# KiCad board panel.kicad_pcb
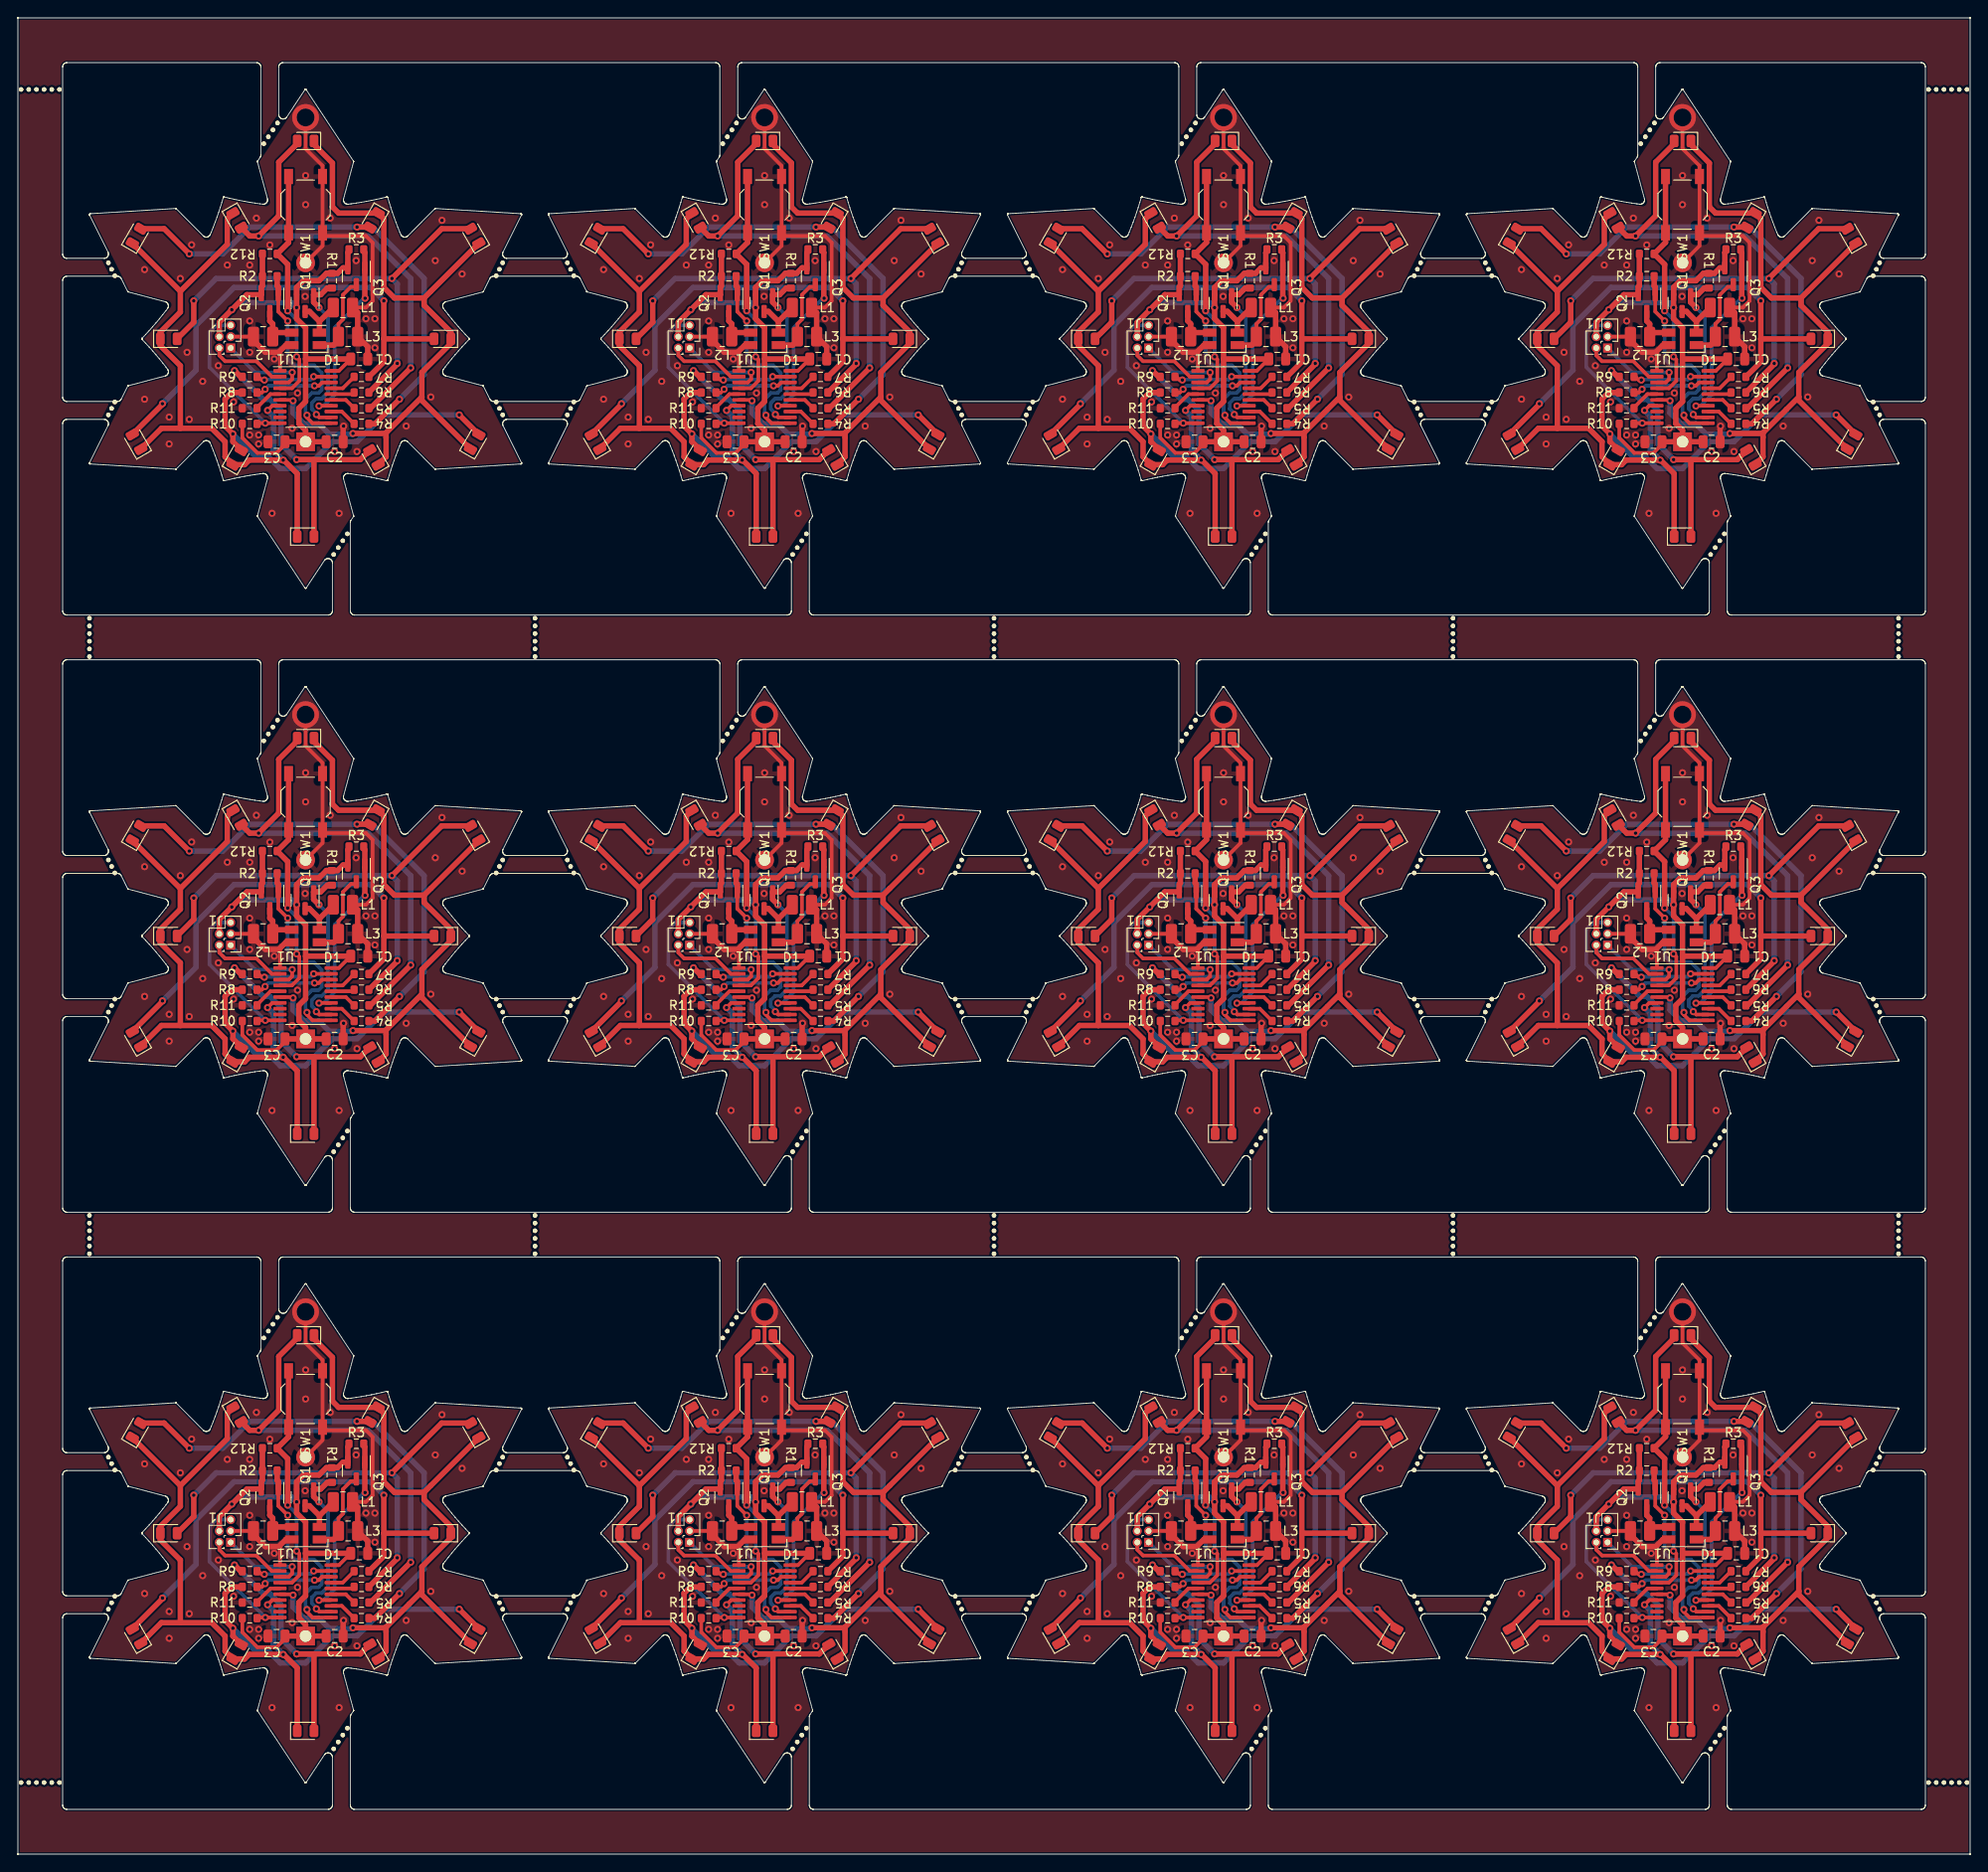
[diagram p0: board, top side]
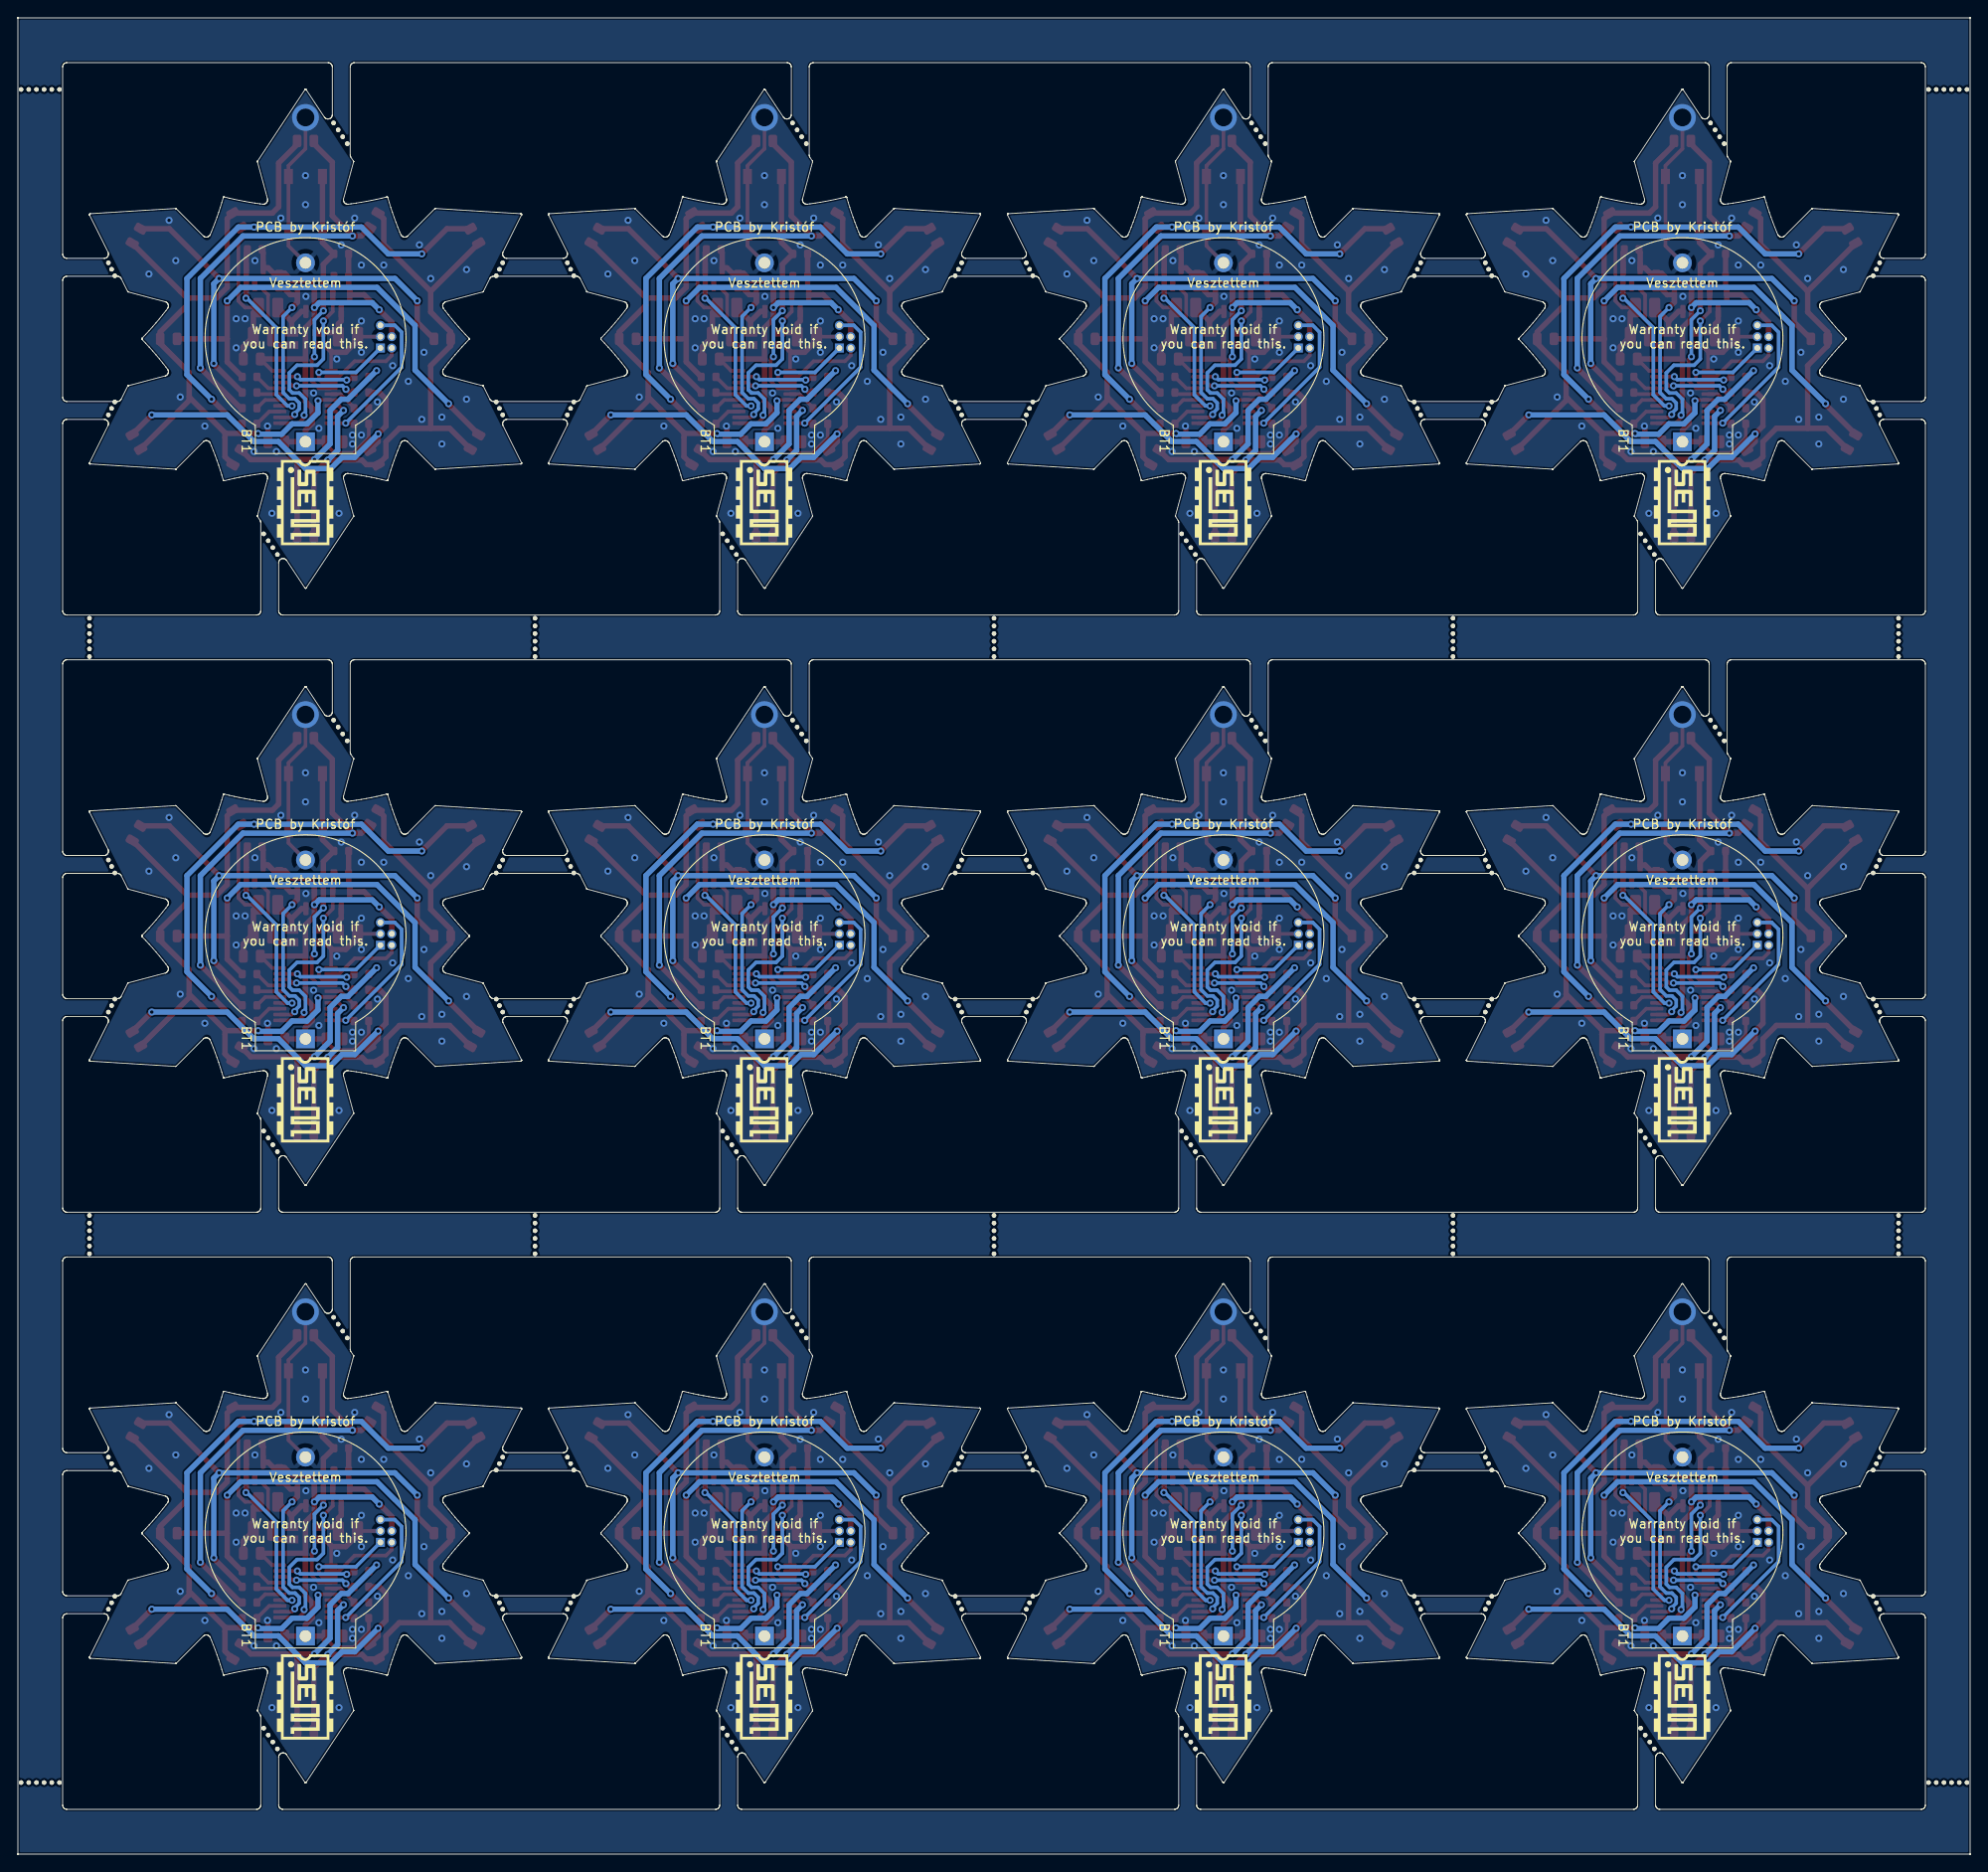
[diagram p1: board, bottom side, seen from below]

Outline 218.25 x 205.27 mm; copper layers: Top, Bottom. Coordinates in mm from the lower left corner of the outline.
Stack: Top 0.035mm / dielectric 1.51mm FR4 er 4.5 / Bottom 0.035mm

## Placement (name value [footprint] x y rotation side)
BT1  Battery  [CR2032_Holder]  83.47 24.38 90 bottom
BT1#2  Battery  [CR2032_Holder]  134.79 24.38 90 bottom
BT1#3  Battery  [CR2032_Holder]  186.1 91.13 90 bottom
BT1#4  Battery  [CR2032_Holder]  83.47 91.13 90 bottom
BT1#5  Battery  [CR2032_Holder]  134.79 91.13 90 bottom
BT1#6  Battery  [CR2032_Holder]  134.79 157.89 90 bottom
BT1#7  Battery  [CR2032_Holder]  83.47 157.89 90 bottom
BT1#8  Battery  [CR2032_Holder]  32.16 157.89 90 bottom
BT1#9  Battery  [CR2032_Holder]  186.1 24.38 90 bottom
BT1#10  Battery  [CR2032_Holder]  32.16 24.38 90 bottom
BT1#11  Battery  [CR2032_Holder]  32.16 91.13 90 bottom
BT1#12  Battery  [CR2032_Holder]  186.1 157.89 90 bottom
C1  100nF  [C_0805_2012Metric]  192.1 100.38 180 top
C1#2  100nF  [C_0805_2012Metric]  192.1 167.14 180 top
C1#3  100nF  [C_0805_2012Metric]  89.47 33.63 180 top
C1#4  100nF  [C_0805_2012Metric]  89.47 100.38 180 top
C1#5  100nF  [C_0805_2012Metric]  38.16 100.38 180 top
C1#6  100nF  [C_0805_2012Metric]  38.16 167.14 180 top
C1#7  100nF  [C_0805_2012Metric]  89.47 167.14 180 top
C1#8  100nF  [C_0805_2012Metric]  38.16 33.63 180 top
C1#9  100nF  [C_0805_2012Metric]  192.1 33.63 180 top
C1#10  100nF  [C_0805_2012Metric]  140.79 33.63 180 top
C1#11  100nF  [C_0805_2012Metric]  140.79 100.38 180 top
C1#12  100nF  [C_0805_2012Metric]  140.79 167.14 180 top
C2  10uF  [C_0805_2012Metric]  138.04 157.89 0 top
C2#2  10uF  [C_0805_2012Metric]  189.35 157.89 0 top
C2#3  10uF  [C_0805_2012Metric]  86.72 91.13 0 top
C2#4  10uF  [C_0805_2012Metric]  35.41 24.38 0 top
C2#5  10uF  [C_0805_2012Metric]  189.35 91.13 0 top
C2#6  10uF  [C_0805_2012Metric]  35.41 91.13 0 top
C2#7  10uF  [C_0805_2012Metric]  86.72 157.89 0 top
C2#8  10uF  [C_0805_2012Metric]  138.04 24.38 0 top
C2#9  10uF  [C_0805_2012Metric]  86.72 24.38 0 top
C2#10  10uF  [C_0805_2012Metric]  138.04 91.13 0 top
C2#11  10uF  [C_0805_2012Metric]  35.41 157.89 0 top
C2#12  10uF  [C_0805_2012Metric]  189.35 24.38 0 top
C3  10uF  [C_0805_2012Metric]  131.54 24.38 180 top
C3#2  10uF  [C_0805_2012Metric]  182.85 157.89 180 top
C3#3  10uF  [C_0805_2012Metric]  182.85 91.13 180 top
C3#4  10uF  [C_0805_2012Metric]  80.22 24.38 180 top
C3#5  10uF  [C_0805_2012Metric]  28.91 157.89 180 top
C3#6  10uF  [C_0805_2012Metric]  28.91 91.13 180 top
C3#7  10uF  [C_0805_2012Metric]  182.85 24.38 180 top
C3#8  10uF  [C_0805_2012Metric]  28.91 24.38 180 top
C3#9  10uF  [C_0805_2012Metric]  131.54 157.89 180 top
C3#10  10uF  [C_0805_2012Metric]  80.22 157.89 180 top
C3#11  10uF  [C_0805_2012Metric]  80.22 91.13 180 top
C3#12  10uF  [C_0805_2012Metric]  131.54 91.13 180 top
D1  LED_ARGB  [LED_RGB_Wuerth-PLCC4_3.2x2.8mm_150141M173100]  32.16 35.88 0 top
D1#2  LED_ARGB  [LED_RGB_Wuerth-PLCC4_3.2x2.8mm_150141M173100]  83.47 102.63 0 top
D1#3  LED_ARGB  [LED_RGB_Wuerth-PLCC4_3.2x2.8mm_150141M173100]  134.79 35.88 0 top
D1#4  LED_ARGB  [LED_RGB_Wuerth-PLCC4_3.2x2.8mm_150141M173100]  186.1 35.88 0 top
D1#5  LED_ARGB  [LED_RGB_Wuerth-PLCC4_3.2x2.8mm_150141M173100]  134.79 102.63 0 top
D1#6  LED_ARGB  [LED_RGB_Wuerth-PLCC4_3.2x2.8mm_150141M173100]  186.1 169.39 0 top
D1#7  LED_ARGB  [LED_RGB_Wuerth-PLCC4_3.2x2.8mm_150141M173100]  32.16 169.39 0 top
D1#8  LED_ARGB  [LED_RGB_Wuerth-PLCC4_3.2x2.8mm_150141M173100]  83.47 169.39 0 top
D1#9  LED_ARGB  [LED_RGB_Wuerth-PLCC4_3.2x2.8mm_150141M173100]  83.47 35.88 0 top
D1#10  LED_ARGB  [LED_RGB_Wuerth-PLCC4_3.2x2.8mm_150141M173100]  186.1 102.63 0 top
D1#11  LED_ARGB  [LED_RGB_Wuerth-PLCC4_3.2x2.8mm_150141M173100]  134.79 169.39 0 top
D1#12  LED_ARGB  [LED_RGB_Wuerth-PLCC4_3.2x2.8mm_150141M173100]  32.16 102.63 0 top
D2  LED  [LED_0805_2012Metric]  115.89 114.13 60 top
D2#2  LED  [LED_0805_2012Metric]  115.89 47.38 60 top
D2#3  LED  [LED_0805_2012Metric]  64.57 114.13 60 top
D2#4  LED  [LED_0805_2012Metric]  167.2 114.13 60 top
D2#5  LED  [LED_0805_2012Metric]  13.26 114.13 60 top
D2#6  LED  [LED_0805_2012Metric]  64.57 180.89 60 top
D2#7  LED  [LED_0805_2012Metric]  13.26 180.89 60 top
D2#8  LED  [LED_0805_2012Metric]  115.89 180.89 60 top
D2#9  LED  [LED_0805_2012Metric]  167.2 180.89 60 top
D2#10  LED  [LED_0805_2012Metric]  167.2 47.38 60 top
D2#11  LED  [LED_0805_2012Metric]  13.26 47.38 60 top
D2#12  LED  [LED_0805_2012Metric]  64.57 47.38 60 top
D3  LED  [LED_0805_2012Metric]  193.75 115.88 240 top
D3#2  LED  [LED_0805_2012Metric]  91.12 49.13 240 top
D3#3  LED  [LED_0805_2012Metric]  39.81 115.88 240 top
D3#4  LED  [LED_0805_2012Metric]  91.12 182.64 240 top
D3#5  LED  [LED_0805_2012Metric]  39.81 182.64 240 top
D3#6  LED  [LED_0805_2012Metric]  142.44 182.64 240 top
D3#7  LED  [LED_0805_2012Metric]  91.12 115.88 240 top
D3#8  LED  [LED_0805_2012Metric]  193.75 182.64 240 top
D3#9  LED  [LED_0805_2012Metric]  142.44 115.88 240 top
D3#10  LED  [LED_0805_2012Metric]  193.75 49.13 240 top
D3#11  LED  [LED_0805_2012Metric]  142.44 49.13 240 top
D3#12  LED  [LED_0805_2012Metric]  39.81 49.13 240 top
D4  LED  [LED_0805_2012Metric]  75.82 115.88 300 top
D4#2  LED  [LED_0805_2012Metric]  24.51 49.13 300 top
D4#3  LED  [LED_0805_2012Metric]  127.14 182.64 300 top
D4#4  LED  [LED_0805_2012Metric]  127.14 49.13 300 top
D4#5  LED  [LED_0805_2012Metric]  75.82 182.64 300 top
D4#6  LED  [LED_0805_2012Metric]  24.51 182.64 300 top
D4#7  LED  [LED_0805_2012Metric]  178.45 182.64 300 top
D4#8  LED  [LED_0805_2012Metric]  178.45 49.13 300 top
D4#9  LED  [LED_0805_2012Metric]  178.45 115.88 300 top
D4#10  LED  [LED_0805_2012Metric]  24.51 115.88 300 top
D4#11  LED  [LED_0805_2012Metric]  127.14 115.88 300 top
D4#12  LED  [LED_0805_2012Metric]  75.82 49.13 300 top
D5  LED  [LED_0805_2012Metric]  134.79 124.76 180 top
D5#2  LED  [LED_0805_2012Metric]  83.47 58 180 top
D5#3  LED  [LED_0805_2012Metric]  134.79 58 180 top
D5#4  LED  [LED_0805_2012Metric]  186.1 124.76 180 top
D5#5  LED  [LED_0805_2012Metric]  83.47 191.51 180 top
D5#6  LED  [LED_0805_2012Metric]  186.1 191.51 180 top
D5#7  LED  [LED_0805_2012Metric]  83.47 124.76 180 top
D5#8  LED  [LED_0805_2012Metric]  32.16 191.51 180 top
D5#9  LED  [LED_0805_2012Metric]  32.16 124.76 180 top
D5#10  LED  [LED_0805_2012Metric]  134.79 191.51 180 top
D5#11  LED  [LED_0805_2012Metric]  186.1 58 180 top
D5#12  LED  [LED_0805_2012Metric]  32.16 58 180 top
D6  LED  [LED_0805_2012Metric]  170.8 169.39 0 top
D6#2  LED  [LED_0805_2012Metric]  170.8 35.88 0 top
D6#3  LED  [LED_0805_2012Metric]  68.17 35.88 0 top
D6#4  LED  [LED_0805_2012Metric]  16.86 169.39 0 top
D6#5  LED  [LED_0805_2012Metric]  119.49 169.39 0 top
D6#6  LED  [LED_0805_2012Metric]  68.17 169.39 0 top
D6#7  LED  [LED_0805_2012Metric]  68.17 102.63 0 top
D6#8  LED  [LED_0805_2012Metric]  16.86 35.88 0 top
D6#9  LED  [LED_0805_2012Metric]  119.49 102.63 0 top
D6#10  LED  [LED_0805_2012Metric]  170.8 102.63 0 top
D6#11  LED  [LED_0805_2012Metric]  16.86 102.63 0 top
D6#12  LED  [LED_0805_2012Metric]  119.49 35.88 0 top
D7  LED  [LED_0805_2012Metric]  102.37 180.89 120 top
D7#2  LED  [LED_0805_2012Metric]  51.06 47.38 120 top
D7#3  LED  [LED_0805_2012Metric]  102.37 47.38 120 top
D7#4  LED  [LED_0805_2012Metric]  51.06 114.13 120 top
D7#5  LED  [LED_0805_2012Metric]  153.69 114.13 120 top
D7#6  LED  [LED_0805_2012Metric]  51.06 180.89 120 top
D7#7  LED  [LED_0805_2012Metric]  205 47.38 120 top
D7#8  LED  [LED_0805_2012Metric]  153.69 47.38 120 top
D7#9  LED  [LED_0805_2012Metric]  205 180.89 120 top
D7#10  LED  [LED_0805_2012Metric]  153.69 180.89 120 top
D7#11  LED  [LED_0805_2012Metric]  102.37 114.13 120 top
D7#12  LED  [LED_0805_2012Metric]  205 114.13 120 top
D8  LED  [LED_0805_2012Metric]  167.2 24.38 120 top
D8#2  LED  [LED_0805_2012Metric]  115.89 91.13 120 top
D8#3  LED  [LED_0805_2012Metric]  64.57 157.89 120 top
D8#4  LED  [LED_0805_2012Metric]  13.26 91.13 120 top
D8#5  LED  [LED_0805_2012Metric]  167.2 91.13 120 top
D8#6  LED  [LED_0805_2012Metric]  115.89 24.38 120 top
D8#7  LED  [LED_0805_2012Metric]  64.57 91.13 120 top
D8#8  LED  [LED_0805_2012Metric]  13.26 24.38 120 top
D8#9  LED  [LED_0805_2012Metric]  115.89 157.89 120 top
D8#10  LED  [LED_0805_2012Metric]  13.26 157.89 120 top
D8#11  LED  [LED_0805_2012Metric]  167.2 157.89 120 top
D8#12  LED  [LED_0805_2012Metric]  64.57 24.38 120 top
D9  LED  [LED_0805_2012Metric]  47.46 35.88 180 top
D9#2  LED  [LED_0805_2012Metric]  201.4 169.39 180 top
D9#3  LED  [LED_0805_2012Metric]  98.77 169.39 180 top
D9#4  LED  [LED_0805_2012Metric]  201.4 102.63 180 top
D9#5  LED  [LED_0805_2012Metric]  47.46 102.63 180 top
D9#6  LED  [LED_0805_2012Metric]  150.09 102.63 180 top
D9#7  LED  [LED_0805_2012Metric]  201.4 35.88 180 top
D9#8  LED  [LED_0805_2012Metric]  150.09 169.39 180 top
D9#9  LED  [LED_0805_2012Metric]  98.77 102.63 180 top
D9#10  LED  [LED_0805_2012Metric]  47.46 169.39 180 top
D9#11  LED  [LED_0805_2012Metric]  98.77 35.88 180 top
D9#12  LED  [LED_0805_2012Metric]  150.09 35.88 180 top
D10  LED  [LED_0805_2012Metric]  127.14 22.63 60 top
D10#2  LED  [LED_0805_2012Metric]  127.14 89.38 60 top
D10#3  LED  [LED_0805_2012Metric]  75.82 89.38 60 top
D10#4  LED  [LED_0805_2012Metric]  24.51 156.14 60 top
D10#5  LED  [LED_0805_2012Metric]  178.45 89.38 60 top
D10#6  LED  [LED_0805_2012Metric]  178.45 156.14 60 top
D10#7  LED  [LED_0805_2012Metric]  127.14 156.14 60 top
D10#8  LED  [LED_0805_2012Metric]  75.82 22.63 60 top
D10#9  LED  [LED_0805_2012Metric]  178.45 22.63 60 top
D10#10  LED  [LED_0805_2012Metric]  75.82 156.14 60 top
D10#11  LED  [LED_0805_2012Metric]  24.51 22.63 60 top
D10#12  LED  [LED_0805_2012Metric]  24.51 89.38 60 top
D11  LED  [LED_0805_2012Metric]  205 157.89 60 top
D11#2  LED  [LED_0805_2012Metric]  153.69 24.38 60 top
D11#3  LED  [LED_0805_2012Metric]  102.37 157.89 60 top
D11#4  LED  [LED_0805_2012Metric]  51.06 157.89 60 top
D11#5  LED  [LED_0805_2012Metric]  153.69 91.13 60 top
D11#6  LED  [LED_0805_2012Metric]  51.06 24.38 60 top
D11#7  LED  [LED_0805_2012Metric]  153.69 157.89 60 top
D11#8  LED  [LED_0805_2012Metric]  51.06 91.13 60 top
D11#9  LED  [LED_0805_2012Metric]  205 24.38 60 top
D11#10  LED  [LED_0805_2012Metric]  102.37 91.13 60 top
D11#11  LED  [LED_0805_2012Metric]  205 91.13 60 top
D11#12  LED  [LED_0805_2012Metric]  102.37 24.38 60 top
D12  LED  [LED_0805_2012Metric]  83.47 13.78 0 top
D12#2  LED  [LED_0805_2012Metric]  32.16 13.78 0 top
D12#3  LED  [LED_0805_2012Metric]  186.1 80.53 0 top
D12#4  LED  [LED_0805_2012Metric]  134.79 80.53 0 top
D12#5  LED  [LED_0805_2012Metric]  186.1 147.29 0 top
D12#6  LED  [LED_0805_2012Metric]  134.79 13.78 0 top
D12#7  LED  [LED_0805_2012Metric]  134.79 147.29 0 top
D12#8  LED  [LED_0805_2012Metric]  83.47 80.53 0 top
D12#9  LED  [LED_0805_2012Metric]  32.16 147.29 0 top
D12#10  LED  [LED_0805_2012Metric]  32.16 80.53 0 top
D12#11  LED  [LED_0805_2012Metric]  83.47 147.29 0 top
D12#12  LED  [LED_0805_2012Metric]  186.1 13.78 0 top
D13  LED  [LED_0805_2012Metric]  193.75 22.63 120 top
D13#2  LED  [LED_0805_2012Metric]  39.81 156.14 120 top
D13#3  LED  [LED_0805_2012Metric]  193.75 156.14 120 top
D13#4  LED  [LED_0805_2012Metric]  193.75 89.38 120 top
D13#5  LED  [LED_0805_2012Metric]  39.81 89.38 120 top
D13#6  LED  [LED_0805_2012Metric]  142.44 89.38 120 top
D13#7  LED  [LED_0805_2012Metric]  39.81 22.63 120 top
D13#8  LED  [LED_0805_2012Metric]  91.12 89.38 120 top
D13#9  LED  [LED_0805_2012Metric]  91.12 22.63 120 top
D13#10  LED  [LED_0805_2012Metric]  142.44 22.63 120 top
D13#11  LED  [LED_0805_2012Metric]  91.12 156.14 120 top
D13#12  LED  [LED_0805_2012Metric]  142.44 156.14 120 top
J1  Conn_2Rows-05Pins  [ProgConnector_5pin]  75.1 34.85 180 top
J1#2  Conn_2Rows-05Pins  [ProgConnector_5pin]  177.72 101.61 180 top
J1#3  Conn_2Rows-05Pins  [ProgConnector_5pin]  126.41 168.36 180 top
J1#4  Conn_2Rows-05Pins  [ProgConnector_5pin]  75.1 101.61 180 top
J1#5  Conn_2Rows-05Pins  [ProgConnector_5pin]  177.72 168.36 180 top
J1#6  Conn_2Rows-05Pins  [ProgConnector_5pin]  75.1 168.36 180 top
J1#7  Conn_2Rows-05Pins  [ProgConnector_5pin]  177.72 34.85 180 top
J1#8  Conn_2Rows-05Pins  [ProgConnector_5pin]  23.79 34.85 180 top
J1#9  Conn_2Rows-05Pins  [ProgConnector_5pin]  126.41 101.61 180 top
J1#10  Conn_2Rows-05Pins  [ProgConnector_5pin]  126.41 34.85 180 top
J1#11  Conn_2Rows-05Pins  [ProgConnector_5pin]  23.79 101.61 180 top
J1#12  Conn_2Rows-05Pins  [ProgConnector_5pin]  23.79 168.36 180 top
KiKit_MB_1_1  -  [NPTH]  29.02 193.52 0 top
KiKit_MB_1_2  -  [NPTH]  28.51 192.75 0 top
KiKit_MB_1_3  -  [NPTH]  28 191.98 0 top
KiKit_MB_1_4  -  [NPTH]  27.49 191.2 0 top
KiKit_MB_2_2  -  [NPTH]  10.12 177.89 0 top
KiKit_MB_2_3  -  [NPTH]  10.48 177.16 0 top
KiKit_MB_2_4  -  [NPTH]  10.84 176.44 0 top
KiKit_MB_3_2  -  [NPTH]  54.2 160.88 0 top
KiKit_MB_3_3  -  [NPTH]  53.84 161.61 0 top
KiKit_MB_3_4  -  [NPTH]  53.48 162.33 0 top
KiKit_MB_4_1  -  [NPTH]  35.3 145.28 0 top
KiKit_MB_4_2  -  [NPTH]  35.81 146.05 0 top
KiKit_MB_4_3  -  [NPTH]  36.32 146.82 0 top
KiKit_MB_4_4  -  [NPTH]  36.83 147.59 0 top
KiKit_MB_5_2  -  [NPTH]  53.47 176.44 0 top
KiKit_MB_5_3  -  [NPTH]  53.83 177.16 0 top
KiKit_MB_5_4  -  [NPTH]  54.2 177.89 0 top
KiKit_MB_6_2  -  [NPTH]  10.84 162.33 0 top
KiKit_MB_6_3  -  [NPTH]  10.48 161.61 0 top
KiKit_MB_6_4  -  [NPTH]  10.11 160.88 0 top
KiKit_MB_7_1  -  [NPTH]  80.33 193.52 0 top
KiKit_MB_7_2  -  [NPTH]  79.82 192.75 0 top
KiKit_MB_7_3  -  [NPTH]  79.31 191.98 0 top
KiKit_MB_7_4  -  [NPTH]  78.8 191.2 0 top
KiKit_MB_8_2  -  [NPTH]  61.43 177.89 0 top
KiKit_MB_8_3  -  [NPTH]  61.79 177.16 0 top
KiKit_MB_8_4  -  [NPTH]  62.15 176.44 0 top
KiKit_MB_9_2  -  [NPTH]  105.51 160.88 0 top
KiKit_MB_9_3  -  [NPTH]  105.15 161.61 0 top
KiKit_MB_9_4  -  [NPTH]  104.79 162.33 0 top
KiKit_MB_10_1  -  [NPTH]  86.61 145.28 0 top
KiKit_MB_10_2  -  [NPTH]  87.13 146.05 0 top
KiKit_MB_10_3  -  [NPTH]  87.64 146.82 0 top
KiKit_MB_10_4  -  [NPTH]  88.15 147.59 0 top
KiKit_MB_11_2  -  [NPTH]  104.79 176.44 0 top
KiKit_MB_11_3  -  [NPTH]  105.15 177.16 0 top
KiKit_MB_11_4  -  [NPTH]  105.51 177.89 0 top
KiKit_MB_12_2  -  [NPTH]  62.15 162.33 0 top
KiKit_MB_12_3  -  [NPTH]  61.79 161.61 0 top
KiKit_MB_12_4  -  [NPTH]  61.43 160.88 0 top
KiKit_MB_13_1  -  [NPTH]  131.65 193.52 0 top
KiKit_MB_13_2  -  [NPTH]  131.13 192.75 0 top
KiKit_MB_13_3  -  [NPTH]  130.62 191.98 0 top
KiKit_MB_13_4  -  [NPTH]  130.11 191.2 0 top
KiKit_MB_14_2  -  [NPTH]  112.74 177.89 0 top
KiKit_MB_14_3  -  [NPTH]  113.1 177.16 0 top
KiKit_MB_14_4  -  [NPTH]  113.46 176.44 0 top
KiKit_MB_15_2  -  [NPTH]  156.82 160.88 0 top
KiKit_MB_15_3  -  [NPTH]  156.46 161.61 0 top
KiKit_MB_15_4  -  [NPTH]  156.1 162.33 0 top
KiKit_MB_16_1  -  [NPTH]  137.93 145.28 0 top
KiKit_MB_16_2  -  [NPTH]  138.44 146.05 0 top
KiKit_MB_16_3  -  [NPTH]  138.95 146.82 0 top
KiKit_MB_16_4  -  [NPTH]  139.46 147.59 0 top
KiKit_MB_17_2  -  [NPTH]  156.1 176.44 0 top
KiKit_MB_17_3  -  [NPTH]  156.46 177.16 0 top
KiKit_MB_17_4  -  [NPTH]  156.82 177.89 0 top
KiKit_MB_18_2  -  [NPTH]  113.46 162.33 0 top
KiKit_MB_18_3  -  [NPTH]  113.1 161.61 0 top
KiKit_MB_18_4  -  [NPTH]  112.74 160.88 0 top
KiKit_MB_19_1  -  [NPTH]  182.96 193.52 0 top
KiKit_MB_19_2  -  [NPTH]  182.45 192.75 0 top
KiKit_MB_19_3  -  [NPTH]  181.94 191.98 0 top
KiKit_MB_19_4  -  [NPTH]  181.43 191.2 0 top
KiKit_MB_20_2  -  [NPTH]  164.05 177.89 0 top
KiKit_MB_20_3  -  [NPTH]  164.41 177.16 0 top
KiKit_MB_20_4  -  [NPTH]  164.77 176.44 0 top
KiKit_MB_21_2  -  [NPTH]  208.13 160.88 0 top
KiKit_MB_21_3  -  [NPTH]  207.77 161.61 0 top
KiKit_MB_21_4  -  [NPTH]  207.41 162.33 0 top
KiKit_MB_22_1  -  [NPTH]  189.24 145.28 0 top
KiKit_MB_22_2  -  [NPTH]  189.75 146.05 0 top
KiKit_MB_22_3  -  [NPTH]  190.26 146.82 0 top
KiKit_MB_22_4  -  [NPTH]  190.77 147.59 0 top
KiKit_MB_23_2  -  [NPTH]  207.41 176.44 0 top
KiKit_MB_23_3  -  [NPTH]  207.77 177.16 0 top
KiKit_MB_23_4  -  [NPTH]  208.13 177.89 0 top
KiKit_MB_24_2  -  [NPTH]  164.77 162.33 0 top
KiKit_MB_24_3  -  [NPTH]  164.41 161.61 0 top
KiKit_MB_24_4  -  [NPTH]  164.05 160.88 0 top
KiKit_MB_25_1  -  [NPTH]  29.02 126.76 0 top
KiKit_MB_25_2  -  [NPTH]  28.51 125.99 0 top
KiKit_MB_25_3  -  [NPTH]  28 125.22 0 top
KiKit_MB_25_4  -  [NPTH]  27.49 124.45 0 top
KiKit_MB_26_2  -  [NPTH]  10.12 111.13 0 top
KiKit_MB_26_3  -  [NPTH]  10.48 110.41 0 top
KiKit_MB_26_4  -  [NPTH]  10.84 109.68 0 top
KiKit_MB_27_2  -  [NPTH]  54.2 94.13 0 top
KiKit_MB_27_3  -  [NPTH]  53.84 94.85 0 top
KiKit_MB_27_4  -  [NPTH]  53.48 95.58 0 top
KiKit_MB_28_1  -  [NPTH]  35.3 78.52 0 top
KiKit_MB_28_2  -  [NPTH]  35.81 79.29 0 top
KiKit_MB_28_3  -  [NPTH]  36.32 80.06 0 top
KiKit_MB_28_4  -  [NPTH]  36.83 80.83 0 top
KiKit_MB_29_2  -  [NPTH]  53.47 109.68 0 top
KiKit_MB_29_3  -  [NPTH]  53.83 110.41 0 top
KiKit_MB_29_4  -  [NPTH]  54.2 111.13 0 top
KiKit_MB_30_2  -  [NPTH]  10.84 95.58 0 top
KiKit_MB_30_3  -  [NPTH]  10.48 94.85 0 top
KiKit_MB_30_4  -  [NPTH]  10.11 94.13 0 top
KiKit_MB_31_1  -  [NPTH]  80.33 126.76 0 top
KiKit_MB_31_2  -  [NPTH]  79.82 125.99 0 top
KiKit_MB_31_3  -  [NPTH]  79.31 125.22 0 top
KiKit_MB_31_4  -  [NPTH]  78.8 124.45 0 top
KiKit_MB_32_2  -  [NPTH]  61.43 111.13 0 top
KiKit_MB_32_3  -  [NPTH]  61.79 110.41 0 top
KiKit_MB_32_4  -  [NPTH]  62.15 109.68 0 top
KiKit_MB_33_2  -  [NPTH]  105.51 94.13 0 top
KiKit_MB_33_3  -  [NPTH]  105.15 94.85 0 top
KiKit_MB_33_4  -  [NPTH]  104.79 95.58 0 top
KiKit_MB_34_1  -  [NPTH]  86.61 78.52 0 top
KiKit_MB_34_2  -  [NPTH]  87.13 79.29 0 top
KiKit_MB_34_3  -  [NPTH]  87.64 80.06 0 top
KiKit_MB_34_4  -  [NPTH]  88.15 80.83 0 top
KiKit_MB_35_2  -  [NPTH]  104.79 109.68 0 top
KiKit_MB_35_3  -  [NPTH]  105.15 110.41 0 top
KiKit_MB_35_4  -  [NPTH]  105.51 111.13 0 top
KiKit_MB_36_2  -  [NPTH]  62.15 95.58 0 top
KiKit_MB_36_3  -  [NPTH]  61.79 94.85 0 top
KiKit_MB_36_4  -  [NPTH]  61.43 94.13 0 top
KiKit_MB_37_1  -  [NPTH]  131.65 126.76 0 top
KiKit_MB_37_2  -  [NPTH]  131.13 125.99 0 top
KiKit_MB_37_3  -  [NPTH]  130.62 125.22 0 top
KiKit_MB_37_4  -  [NPTH]  130.11 124.45 0 top
KiKit_MB_38_2  -  [NPTH]  112.74 111.13 0 top